# Altium PCB SVEC.pcbdoc (part 7 of 18)
Units mil, origin at the board's own origin, x right, y up, seen from the top; angles counter-clockwise.
Board outline 6349.25 x 9237.04 mil, 10 copper layers (Top Layer, L2 GND, L3, L4 PWR3.3, L5, L6, L7 GND, L8, L9 PWR, Bottom Layer), stack 58.268 mil thick; 906 components, 904 nets, 4753 pads, 3116 vias.
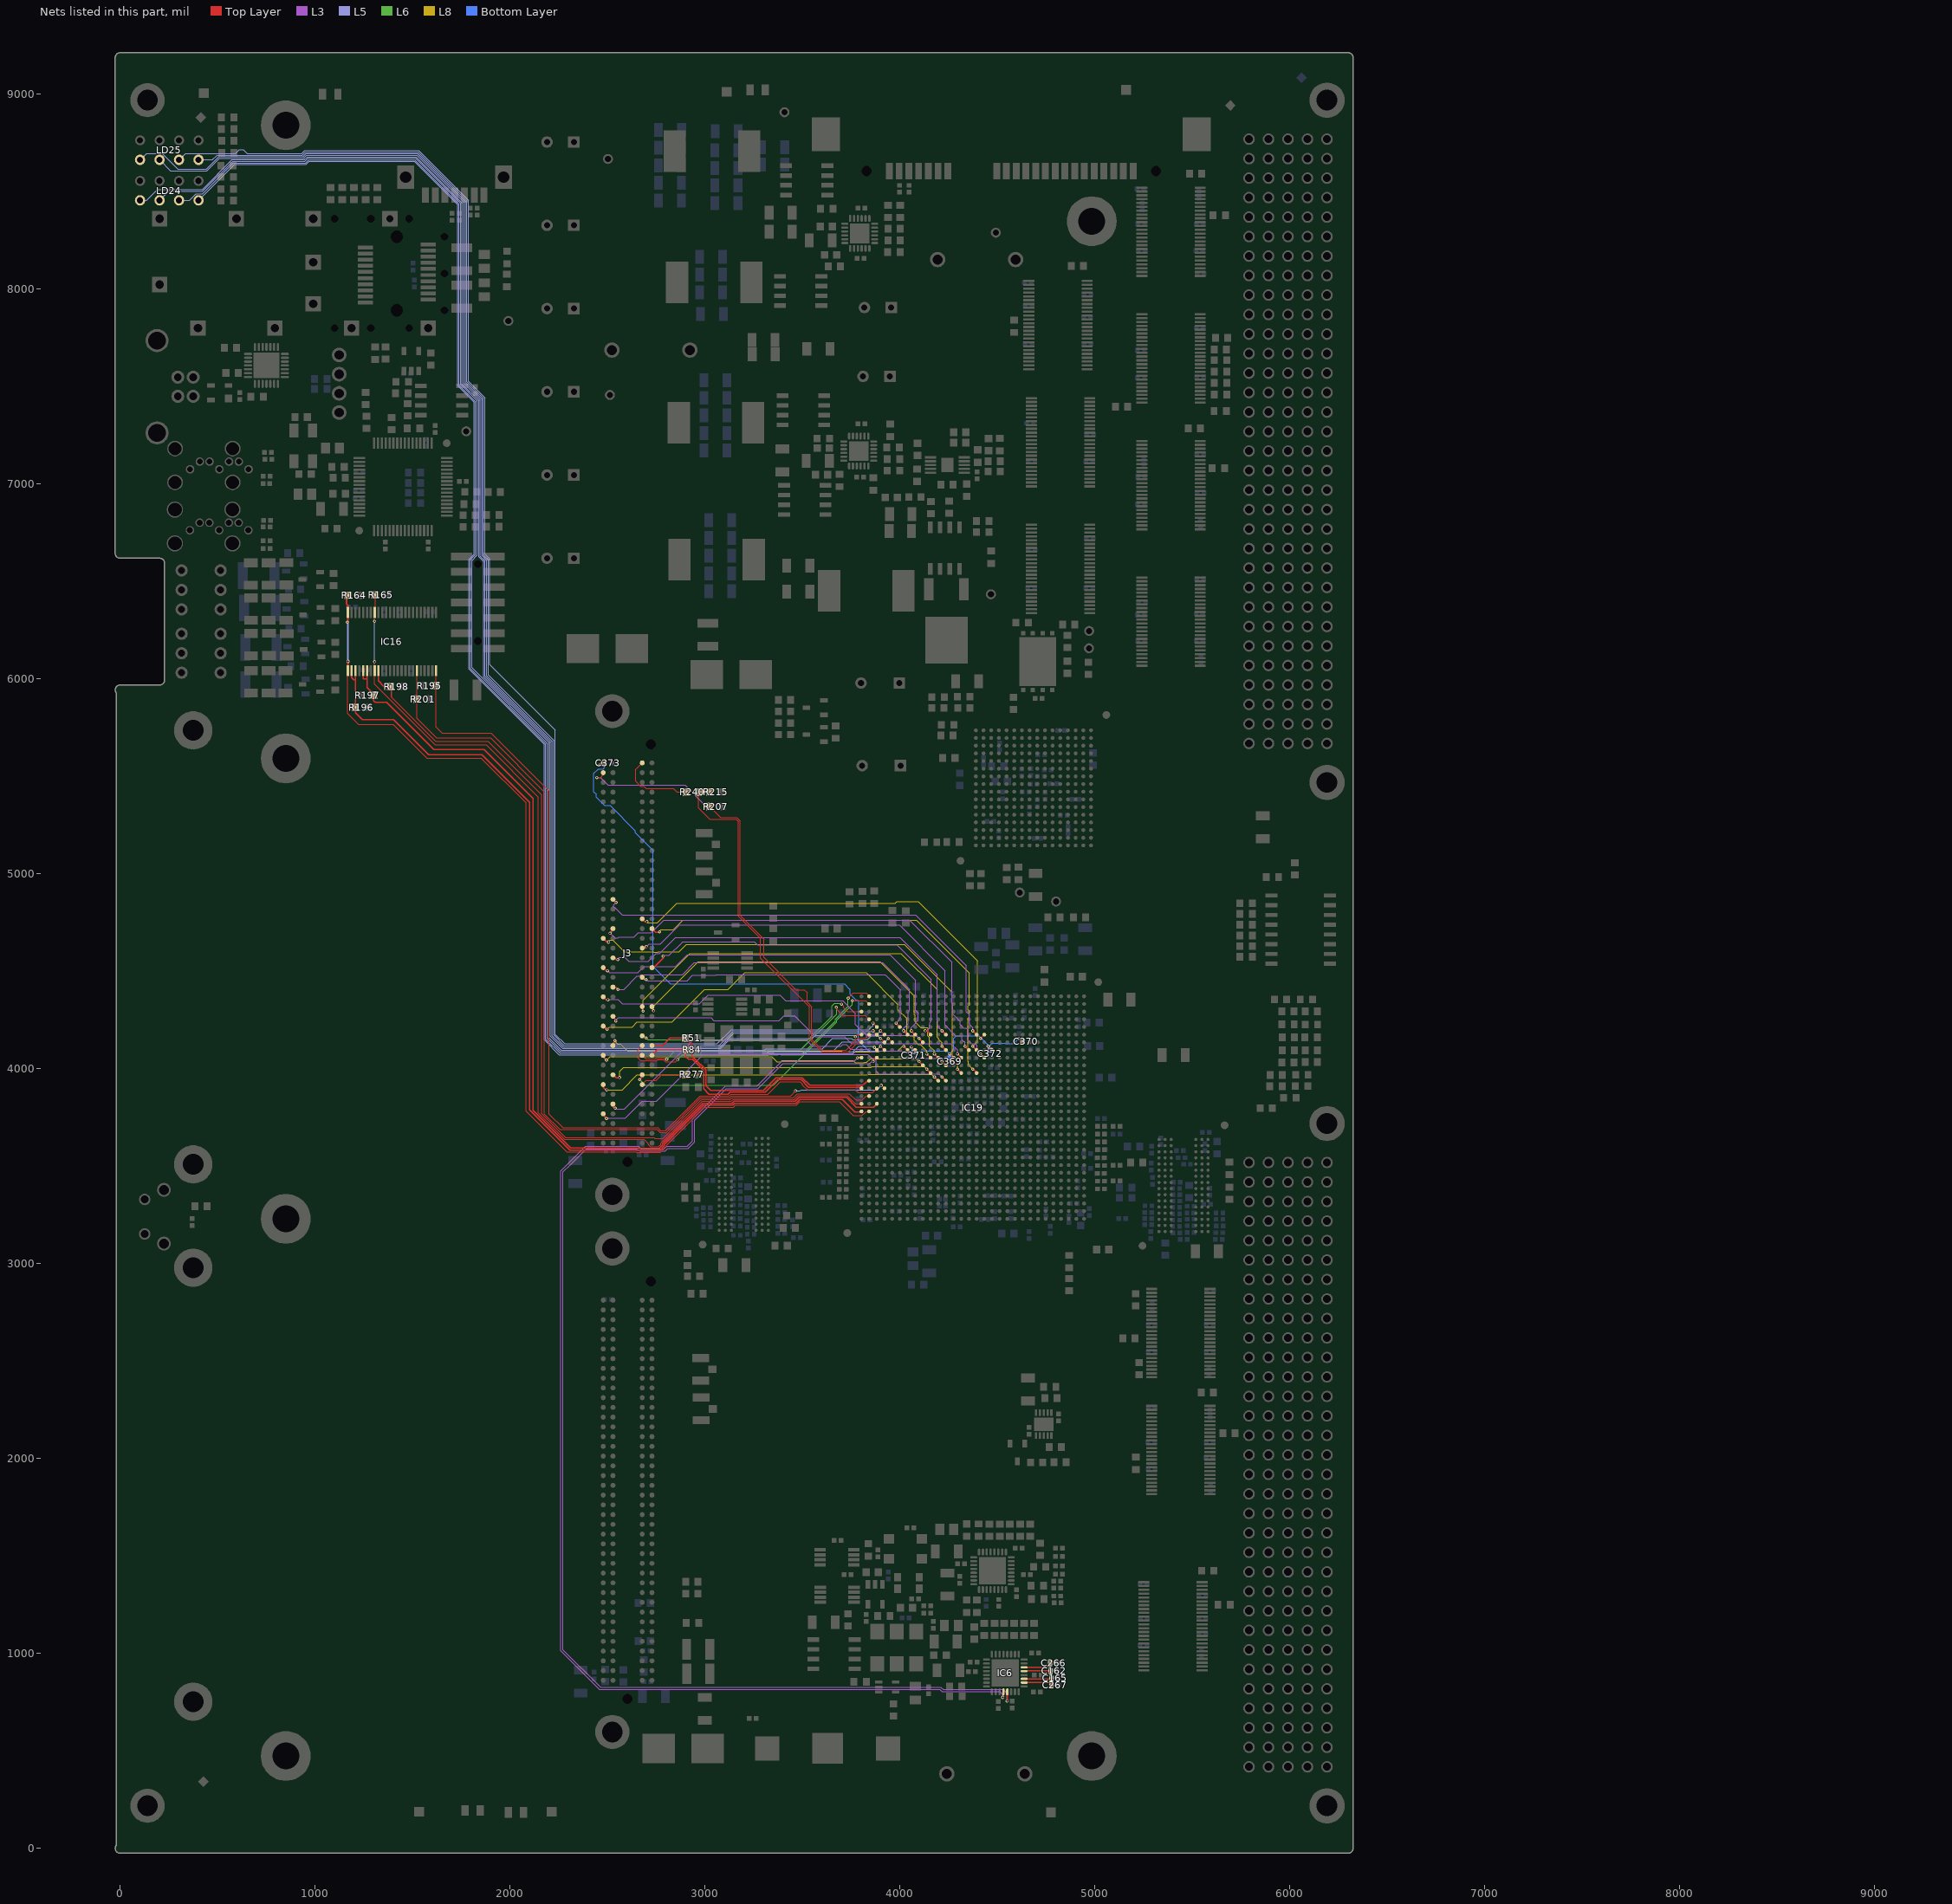
[diagram p15: the nets of this part, all layers, seen from the top]

## Via types
v1: diameter 15.75, hole 7.87, Top Layer to Bottom Layer, tented both sides, 2844 vias
v2: diameter 31.5, hole 15.75, Top Layer to Bottom Layer, tented both sides, 224 vias
v3: diameter 19.68, hole 7.87, Top Layer to Bottom Layer, tented both sides, 31 vias
v4: diameter 15.75, hole 7.87, Top Layer to Bottom Layer, 17 vias

## Nets (pads, with @x,y where several pads share a name; then routed paths per layer and width w, separated by ;. In a path a pad name is that pad's centre, name@x,y a point inside that pad or via, vN(x,y) a via of type N, cw(c..) or ccw(c..) an arc to the next point about the centre after c; other vN are vias at no path point) (continued)
FMC2_LA_P12: IC19.AE15 J3.g15 | length 2359.2
  Top Layer w6: J3.g15@2528.05,4868.51 v1(2544.05,4852.51) ; 4382.55,4191.51 4377.55,4191.51 4393.24,4175.82 IC19.AE15@4393.24,4174.52
  L3 w4: v1(2544.05,4852.51) 2532.19,4840.64 2532.19,4830.14 2536.69,4825.64 2537.69,4825.64 2575.69,4787.64 4080.55,4787.64 4340.69,4527.5 4340.69,4290.26 4354.56,4276.39 4354.56,4235.76 4357.68,4232.64 4357.68,4227 4373.55,4211.13 v1(4373.55,4194.21)
FMC2_LA_P13: IC19.AC15 J3.d17 | length 2376.6
  Top Layer w6: J3.d17@2678.05,4768.51 2694.05,4752.51 2701.68,4752.51 v1@2704.55,4755.38 ; v1@4376.55,4112.47 IC19.AC15@4393.24,4095.78
  L8 w4: v1(2701.69,4754.64) 2701.69,4752.64 2705.74,4748.59 2708.57,4748.59 2709.52,4747.64 2755.55,4747.64 2855.41,4847.51 3974.58,4847.51 3983.58,4856.51 4094.52,4856.51 4265.52,4685.51 4397.68,4553.35 4397.68,4139.59 v1(4373.55,4115.47)
FMC2_LA_P14: IC19.Y15 J3.c18 | length 2303.5
  Top Layer w6: J3.c18@2728.05,4718.51 2746.05,4700.51 v1@2763.55,4700.51 ; v1@4378.55,3995.51 4393.24,3980.82 IC19.Y15@4393.24,3977.67
  L8 w4: v1(2766.69,4701.64) 2766.69,4705.64 2773.69,4712.64 2837.69,4712.64 2886.69,4761.64 3248.69,4761.64 4083.69,4761.64 4354.56,4490.77 4354.56,4327.09 4349.68,4322.21 4349.68,4302.43 4354.56,4297.55 4354.56,4264.89 4349.68,4260.01 4349.68,4144.95 4349.68,4037.27 4351.56,4035.39 4351.56,4019.35 v1(4373.55,3997.36)
FMC2_LA_P15: IC19.Y17 J3.h19 | length 2378.3
  Top Layer w6: J3.h19@2478.05,4668.51 2496.92,4649.64 v1(2505.69,4649.64) ; v1(4294.81,3997.36) IC19.Y17@4314.5,3977.67
  L8 w4: v1(2505.69,4649.64) 2514.69,4658.64 2527.69,4658.64 2587.7,4598.63 2736.67,4598.63 2738.67,4596.63 2758.44,4596.63 2760.44,4598.63 2866.82,4598.63 2905.31,4637.12 4021.58,4637.12 4265.81,4392.88 4265.81,4335.75 4270,4331.56 4270,4039.09 4294.81,4014.28 v1(4294.81,3997.36)
FMC2_LA_P16: IC19.AB14 J3.g18 | length 2490.2
  Top Layer w6: v1(2512.69,4694.64) J3.g18@2528.05,4710.01 ; v1@4415.55,4075.51 4415.55,4073.47 IC19.AB14@4432.61,4056.41
  L3 w4: v1(2512.69,4694.64) 2537.56,4669.77 2553.26,4669.77 2559.14,4675.64 2635.45,4675.64 2657.83,4698.02 2724.21,4698.02 2788.83,4762.64 4049.55,4762.64 4265.81,4546.37 4265.81,4335.75 4270.69,4330.88 4270.69,4279.5 4308.56,4241.62 4308.56,4225.44 4324.36,4209.64 4338.69,4209.64 4338.69,4209.32 4348.06,4199.95 4348.06,4188.46 4347.69,4188.09 4347.69,4160.95 4348.06,4160.58 4348.06,4146.57 4364.99,4129.64 4383.55,4129.64 4394.69,4118.5 4394.69,4094.33 v1(4412.92,4076.1)
FMC2_LA_P17: IC19.AC16 J3.d20 | length 2173.3
  Top Layer w6: J3.d20@2678.05,4618.51 2691.55,4618.51 v1(2698.69,4625.64) ; v1(4334.18,4115.47) IC19.AC16@4353.87,4095.78
  L3 w4: v1(2698.69,4625.64) 2699.69,4625.64 2712.85,4638.81 2770.91,4638.81 2869.48,4737.38 3996.95,4737.38 4231.57,4502.76 4231.57,4223.69 4285.62,4169.64 4309.69,4169.64 4318.31,4161.02 4318.31,4148.26 4327.61,4138.96 4330.44,4138.96 4334.18,4135.22 v1(4334.18,4115.47)
FMC2_LA_P18: IC19.AE21 J3.c22 | length 1888.7
  Top Layer w6: J3.c22@2728.05,4518.51 2736.55,4518.51 2786.69,4568.64 v1@2786.69,4576.64 ; v1(4129.69,4194.64) 4136.9,4194.64 IC19.AE21@4157.02,4174.52
  L3 w4: v1@2786.69,4576.64 2791.56,4581.51 2816.42,4581.51 2881.62,4646.71 2884.55,4649.64 3253.83,4649.64 3268.83,4634.64 3984.56,4634.64 4161.21,4457.99 4161.21,4243.31 4153.21,4235.31 4153.21,4227 4151.21,4225 4151.21,4208.08 4137.33,4194.21 4136.9,4194.64 v1(4129.69,4194.64)
  other v1: 2785.69,4577.64
FMC2_LA_P19: IC19.AE23 J3.h22 | length 2014
  Top Layer w6: J3.h22@2478.05,4518.51 2494.05,4502.51 v1@2496.68,4502.51 ; v1@4054.55,4191.51 4058.59,4191.51 v1@4059.55,4191.51 ; v1@4062.55,4191.51 v1@4059.55,4191.51 ; IC19.AE23@4078.28,4174.52 4076.54,4174.52 v1@4059.55,4191.51
  L3 w4: v1(2500.69,4502.64) 2500.69,4500.64 2504.81,4496.51 2506.26,4496.51 2509.4,4493.38 2656.03,4493.38 2686.29,4523.64 2848.69,4523.64 2908.69,4583.64 3949.83,4583.64 4079.69,4453.78 4079.69,4298.64 4090.69,4287.64 4093.62,4284.71 4093.62,4249.81 4090.69,4246.88 4085.37,4241.57 4085.37,4237.91 4058.59,4211.13 v1(4058.59,4194.21)
FMC2_LA_P20: IC19.AE19 J3.g21 | length 2134.5
  Top Layer w6: J3.g21@2528.05,4568.51 2535.82,4568.51 2545.68,4558.65 v1@2550.68,4558.65 ; v1@4222.55,4194.51 4222.55,4187.73 IC19.AE19@4235.76,4174.52
  L3 w4: v1(2552.69,4559.64) 2551.62,4560.71 2550.76,4560.71 2561.05,4571 2588.19,4571 2608.55,4550.64 2709.07,4550.64 2750.07,4591.64 2767.69,4591.64 2848.69,4672.64 3999.2,4672.64 4190.69,4481.15 4190.69,4244.82 4192.69,4242.82 4192.69,4217.59 v1(4216.07,4194.21)
FMC2_LA_P21: IC19.AD22 J3.h25 | length 1810.9
  Top Layer w6: J3.h25@2478.05,4368.51 2494.05,4352.51 2500.68,4352.51 v1@2503.55,4355.38 ; v1@4097.55,4154.51 4116.91,4135.15 IC19.AD22@4117.65,4135.15
  L3 w4: v1(2501.69,4353.64) 2503.69,4355.64 2553.69,4355.64 2576.69,4332.64 2971.83,4332.64 3015.83,4376.64 3383.69,4376.64 3412.69,4347.64 3706.69,4347.64 3771.71,4282.62 3771.71,4226.69 3828.07,4170.33 4082.47,4170.33 v1(4097.96,4154.84)
FMC2_LA_P22: IC19.AE24 J3.g24 | length 1892.4
  Top Layer w6: J3.g24@2528.05,4418.51 2541.82,4418.51 v1(2553.69,4406.64) ; v1@4018.92,4194.51 v1(4019.22,4194.21) IC19.AE24@4038.91,4174.52
  L3 w4: v1(2553.69,4406.64) 2583.69,4406.64 2652.43,4475.38 2663.49,4475.38 2670.75,4482.64 2884.55,4482.64 2945.55,4543.64 3911.39,4543.64 4000.52,4454.51 4046.5,4408.53 4048.43,4406.6 4048.43,4299.79 4042.68,4294.04 4042.68,4230.63 4016.55,4204.51 v1@4016.55,4194.51
FMC2_LA_P23: IC19.AF25 J3.d23 | length 1593
  Top Layer w6: J3.d23@2678.05,4468.51 2690.92,4455.64 2699.69,4455.64 v1(2697.69,4457.64) ; v1@3978.81,4234.17 3978.81,4233.58 3978.81,4233.25 3979.17,4232.89 3998.17,4213.89 IC19.AF25@3999.54,4213.89
  L3 w4: v1(2697.69,4457.64) 2703.69,4451.64 2908.69,4451.64 2936.69,4479.64 3054.93,4479.64 3057.67,4482.38 3922.29,4482.38 3925.03,4479.64 3927.86,4479.64 4003.29,4404.21 4003.29,4362.64 4003.29,4257.01 v1(3979.85,4233.58)
FMC2_LA_P24: IC19.AB21 J3.h28 | length 2088.7
  Top Layer w6: v1@2496.05,4200.51 2495.8,4200.76 J3.h28@2478.05,4218.51 2481.82,4218.51 v1(2497.69,4202.64) ; v1@4137.56,4076.32 4157.02,4056.86 IC19.AB21@4157.02,4056.41
  L8 w4: v1(2497.69,4202.64) 2508.69,4213.64 2626.83,4213.64 2651.83,4238.64 2830.9,4238.64 2998.29,4406.04 3117.08,4406.04 3204.19,4493.14 3826.19,4493.14 3989.69,4329.64 3989.69,4302.5 4034.72,4257.47 4034.72,4223.69 4034.96,4223.45 4034.96,4204.33 4034.72,4204.1 4034.72,4184.19 4050.2,4168.71 4064.34,4168.71 4072.47,4160.58 4072.47,4145.72 4093.81,4124.38 4103.71,4124.38 4137.33,4090.76 v1(4137.33,4076.1)
FMC2_LA_P25: IC19.AB17 J3.g27 | length 1924.1
  Top Layer w6: J3.g27@2528.05,4268.51 2538.69,4257.87 v1@2538.69,4247.64 ; v1(4294.81,4076.1) IC19.AB17@4314.5,4056.41
  L3 w4: v1(2542.69,4244.64) 2542.69,4249.5 2554.83,4261.64 3030.69,4261.64 3045.69,4246.64 3380.83,4246.64 3405.74,4271.55 3459.6,4271.55 3566.51,4164.64 3715.69,4164.64 3750.99,4129.34 4261.19,4129.34 4294.81,4095.72 v1(4294.81,4076.1)
FMC2_LA_P26: IC19.AC19 J3.d26 | length 2091.5
  Top Layer w6: J3.d26@2678.05,4318.51 2676.69,4317.14 2676.69,4312.64 2681.69,4307.64 v1@2681.69,4297.64 ; v1(4216.07,4115.47) IC19.AC19@4235.76,4095.78
  L8 w4: v1@2681.69,4297.64 2681.69,4350.64 2922.69,4591.64 4005.65,4591.64 4191.81,4405.47 4191.81,4314.31 4192.2,4313.92 4192.2,4160.99 4194.2,4158.99 4198.62,4154.57 4198.62,4149.84 4216.07,4132.39 v1(4216.07,4115.47)
  other v1: 2682.69,4295.64
FMC2_LA_P27: IC19.AB20 J3.c26 | length 1939.7
  Top Layer w6: J3.c26@2728.05,4318.51 2731.69,4314.87 2731.69,4302.64 v1@2736.69,4297.64 ; v1(4176.7,4076.1) IC19.AB20@4196.39,4056.41
  L8 w4: v1@2736.69,4297.64 2736.69,4320.64 2964.69,4548.64 3898.69,4548.64 4073.69,4373.64 4073.69,4277.78 4078.3,4273.16 4078.3,4238.88 4107.48,4209.7 4140.48,4209.7 4143.56,4206.62 4143.56,4188.89 4142.69,4188.02 4142.69,4168.71 4143.08,4168.71 4151.21,4160.58 4151.21,4116.12 4175.16,4092.17 4175.16,4077.64 v1(4176.7,4076.1)
  other v1: 2736.69,4296.64
FMC2_LA_P28: IC19.AA22 J3.h31 | length 1698.1
  Top Layer w6: J3.h31@2478.05,4068.51 2478.05,4060.27 v1(2494.69,4043.64) ; 4104.55,4030.51 4117.65,4017.41 IC19.AA22@4117.65,4017.04
  L8 w4: v1(2494.69,4043.64) 2512.69,4061.64 2537.69,4061.64 2538.56,4062.51 3342.81,4062.51 3360.69,4044.64 3369.56,4035.77 3389.58,4035.77 3396.45,4042.64 3546.69,4042.64 ; 3547.7,4041.63 3546.69,4042.64 ; v1(4097.96,4036.73) 4083.12,4051.57 3848.76,4051.57 3829.82,4032.63 3819.69,4032.63 3818.69,4031.63 3771.67,4031.63 3760.66,4042.64 3546.69,4042.64 ; v1@4099.55,4035.51 v1@4099.55,4037.51
FMC2_LA_P29: IC19.AC24 J3.g30 | length 1576.7
  Top Layer w6: J3.g30@2528.05,4118.51 2528.05,4128.01 2541.69,4141.64 v1@2539.69,4143.64 ; v1(4019.22,4115.47) IC19.AC24@4038.91,4095.78
  L8 w4: v1@2541.69,4141.64 v1@2543.19,4140.14 ; v1@2543.69,4139.64 v1@2543.19,4140.14 ; v1(4019.22,4115.47) 4013.62,4115.47 3988.12,4089.97 3895.37,4089.97 3891.16,4085.77 3858.8,4085.77 3857.8,4086.77 3703.8,4086.77 3699.93,4090.64 2602.69,4090.64 2567.69,4125.64 2551.69,4125.64 2543.19,4134.14 v1@2543.19,4140.14
  other v1: 2537.69,4143.64
FMC2_LA_P30: IC19.W20 J3.h34 | length 1780.4
  Top Layer w6: J3.h34@2478.05,3918.51 2478.05,3904.01 v1@2491.55,3890.51 ; v1(4176.7,3957.99) IC19.W20@4196.39,3938.3
  L8 w4: v1(2496.69,3891.64) 2575.69,3891.64 2651.68,3967.63 3814.67,3967.63 3834.44,3967.63 3838.67,3971.86 4162.83,3971.86 v1(4176.7,3957.99)
FMC2_LA_P31: IC19.Y21 J3.g33 | length 1686.6
  Top Layer w6: J3.g33@2528.05,3968.51 2544.05,3952.51 2553.68,3952.51 v1@2556.55,3955.38 ; v1@4137.55,3996.51 4138.18,3996.51 IC19.Y21@4157.02,3977.67
  L8 w4: v1(2561.69,3954.64) 2561.69,3985.64 2581.69,4005.64 3850.41,4005.64 3856,4011.23 4123.46,4011.23 v1(4137.33,3997.36)
FMC2_LA_P32: IC19.W19 J3.h37 | length 2006.5
  Top Layer w6: J3.h37@2478.05,3768.51 2478.05,3762.01 2497.55,3742.51 2495.55,3742.51 2494.55,3743.51 v1@2494.55,3741.51 ; v1(4216.07,3957.99) IC19.W19@4235.76,3938.3
  L3 w4: v1(2494.69,3744.64) 2497.62,3741.71 2502.02,3746.11 2592.3,3746.11 2678.58,3832.39 2750.39,3832.39 2991.51,4073.51 3834.81,4073.51 3855.65,4052.68 3865.41,4052.68 3877.24,4040.85 3877.24,3987.47 3891.22,3973.48 4200.58,3973.48 v1(4216.07,3957.99)
FMC2_LA_P33: IC19.AA19 J3.g36 | length 1938.6
  Top Layer w6: J3.g36@2528.05,3818.51 2528.05,3806.01 v1@2540.55,3793.51 ; v1(4216.07,4036.73) IC19.AA19@4235.76,4017.04
  L3 w4: v1(2539.69,3797.64) 2543.82,3793.51 2586.55,3793.51 2937.68,4144.63 3521.7,4144.63 3551.69,4114.64 3698.07,4114.64 3707.94,4124.51 3723.81,4124.51 3747.69,4100.64 3838.81,4100.64 3853.81,4085.64 3853.93,4085.77 3878.58,4085.77 3883.45,4090.64 4028.55,4090.64 4066.96,4052.22 4200.58,4052.22 v1(4216.07,4036.73)
FMC2_PG_C2M: IC19.AD30 R215.1 R240.1 | length 1952.2
  Top Layer w5: R240.1@2967.05,5418.51 2967.05,5337.44 3025.61,5278.88 3159.51,5278.88 3170.69,5267.7 3170.69,4782.91 3285.55,4668.05 3285.55,4567.4 3536.55,4316.4 3536.55,4150.05 3599.33,4087.27 3736.31,4087.27 3784.2,4135.15 IC19.AD30@3802.69,4135.15
  Top Layer w8: R240.1@2967.05,5418.51 3023.06,5418.51 R215.1@3024.06,5419.51
FMC2_PGC2M: J3.d1 R240.2 | length 390.3
  Top Layer w5: J3.d1@2678.05,5568.51 2644.55,5535.01 2644.55,5475 2670.14,5449.41 2686.89,5449.41 2698.69,5437.6 2837.55,5437.6 2856.65,5418.51 R240.2@2904.06,5418.51
FMC2_PRSNTM2C_N: IC19.AE29 J3.h2 R207.1 | length 2526.1
  Top Layer w5: v1(2444.42,5493.42) 2464.11,5493.42 2478.05,5507.37 J3.h2@2478.05,5518.51 ; v1(2995.6,5355.62) 3015.29,5355.62 3024.06,5346.85 R207.1@3024.06,5344.51 3080.68,5287.88 3163.24,5287.88 3179.69,5271.43 3179.69,4786.64 3301.55,4664.77 3301.55,4570.77 3467.32,4405.01 3510.05,4405.01 3524.69,4390.37 3524.69,4341 3547.55,4318.13 3547.55,4151.77 3603.06,4096.27 3724.64,4096.27 3785.88,4157.51 3825.04,4157.51 IC19.AE29@3842.06,4174.52
  L3 w5: v1(2444.42,5493.42) 2464.11,5493.42 2503.48,5454.05 2897.18,5454.05 v1(2995.6,5355.62)
FMC2_SCL: IC19.W29 J3.c30 R51.2 | length 1374.1
  Top Layer w6: J3.c30@2728.05,4118.51 2782.55,4118.51 2820.55,4156.51 R51.2@2900.06,4156.51 2932.55,4124.01 2932.55,4064.51 2977.55,4019.51 2980.55,4019.51 3004.55,3995.51 3004.55,3912.51 3028.05,3889.01 3299.7,3889.01 3364.21,3953.51 3498.96,3953.51 3536.96,3915.51 3795.44,3915.51 3795.71,3915.77 3811.79,3915.77 ; 3812.48,3918.62 3815.59,3921.73 3817.75,3921.73 3834.32,3938.3 IC19.W29@3842.06,3938.3
FMC2_SDA: IC19.V30 J3.c31 R84.2 | length 1304.8
  Top Layer w6: J3.c31@2728.05,4068.51 2756.05,4096.51 R84.2@2901.06,4096.51 2901.06,4063 2916.55,4047.51 2935.35,4047.51 2992.55,3990.3 2992.55,3896.51 3020.55,3868.51 3118.68,3868.51 3129.18,3879.01 3309.05,3879.01 3373.56,3943.51 3492.81,3943.51 3532.19,3904.14 3797.48,3904.14 IC19.V30@3802.69,3898.93
FMC2_TCK: IC19.AH30 J3.d29 | length 1264.1
  Top Layer w5: J3.d29@2678.05,4168.51 2686.82,4168.51 v1(2697.69,4157.64) ; v1(3700.55,4331.51) 3711.05,4321.01 3711.05,4312.01 3730.43,4292.63 IC19.AH30@3802.69,4292.63
  L6 w5: v1(2697.69,4157.64) 2707.45,4147.88 3529.93,4147.88 3651.55,4269.51 3651.55,4322.51 3663.55,4334.51 3697.55,4334.51 v1(3700.55,4331.51)
FMC2_TDI: IC19.AK29 J3.d30 | length 1455.9
  Top Layer w4: J3.d30@2678.05,4118.51 2655.69,4096.14 2655.69,4054.64 2668.42,4041.91 2754.33,4041.91 2757.81,4045.38 2787.33,4045.38 2797.94,4034.77 2848.81,4034.77 v1(2859.69,4045.64)
  Top Layer w5: v1(3734.55,4361.51) 3760.76,4387.71 3825.72,4387.71 IC19.AK29@3842.06,4371.37
  L6 w4: v1(2859.69,4045.64) 2885.55,4071.51 3370.93,4071.51 3373.94,4074.51 3385.43,4074.51 3388.44,4071.51 3495.55,4071.51 3668.05,4244.01 3668.05,4254.01 3733.55,4319.51 3733.55,4360.51 v1(3734.55,4361.51)
FMC2_TDO: IC19.AG29 J3.d31 | length 1341.8
  Top Layer w4: J3.d31@2678.05,4068.51 2696.65,4049.91 2751.02,4049.91 2754.49,4053.38 2798.95,4053.38 v1(2803.69,4048.64)
  Top Layer w5: v1@3680.55,4314.51 3674.69,4308.64 3674.69,4303.37 3704.55,4273.51 3821.81,4273.51 IC19.AG29@3842.06,4253.26
  L6 w4: v1(2803.69,4048.64) 2847.55,4092.51 3486.57,4092.51 3674.69,4280.62 3674.69,4308.64 v1@3680.55,4314.51
  other v1: 3673.69,4314.64
FMC2_TMS: IC19.AJ29 J3.d33 | length 1421.8
  Top Layer w5: v1(3755.55,4348.51) 3825.55,4348.51 IC19.AJ29@3842.06,4332
  Top Layer w6: v1(2664.55,3944.51) 2678.05,3958.01 J3.d33@2678.05,3968.51
  L6 w4: v1(2664.55,3944.51) 2693.43,3915.63 3350.99,3915.63 3676.05,4240.69 3676.05,4249.63 3755.55,4329.13 v1(3755.55,4348.51)
FMC2_TRST_L: J3.d34 R277.1 | length 247.4
  Top Layer w5: J3.d34@2678.05,3918.51 2699.05,3939.51 2701.23,3939.51 2701.6,3939.13 2749.18,3939.13 2780.55,3970.51 R277.1@2902.06,3970.51
  Top Layer w8: J3.d34@2676.55,3918.51 J3.d34@2678.05,3918.51
FMC2_VREFAM2C: C369.2 C370.2 C371.2 C372.2 C373.2 IC19.AB18 IC19.AC13 IC19.AC23 IC19.AD9 IC19.AE14 J3.h1 | length 3840.6
  Top Layer w5: v1@4060.55,4111.51 4076.28,4095.78 IC19.AC23@4078.28,4095.78 ; v1@4254.55,4076.51 4255.03,4076.51 IC19.AB18@4275.13,4056.41 ; v1@4415.55,4157.51 IC19.AE14@4432.57,4174.52 ; v1@4457.55,4114.51 4471.98,4100.08 IC19.AC13@4471.98,4095.78 ; v1(4609.77,4154.84) IC19.AD9@4629.46,4135.15
  Top Layer w10: v1(2458.55,5556.51) 2466.05,5556.51 J3.h1@2478.05,5568.51
  Bottom Layer w5: C373.2@2484.84,5567.51 2487.55,5564.79 2487.55,5547.51 2477.55,5537.51 2453.2,5537.51 2430.05,5514.35 2430.05,5420.01 2442.55,5407.51 2442.55,5392.18 2484.72,5350.01 2513.05,5350.01 2643.18,5219.88 2643.18,5210.88 2734.18,5119.88 2734.18,4523.68 2823.35,4434.51 3715.88,4434.51 3740.88,4409.51 3744.55,4409.51 3744.55,4381.77 3775.82,4350.51 3785.55,4350.51 3788.93,4347.13 3788.93,4222.88 3786.55,4220.51 3786.55,4144.51 3840.55,4090.51 4067.27,4090.51 C371.2@4070.55,4087.22 ; v1@4060.55,4111.51 4070.55,4101.51 C371.2@4070.55,4087.22 ; C372.2@4463.55,4088.22 4457.55,4094.22 v1@4457.55,4114.51 ; C370.2@4635.84,4138.51 4626.11,4138.51 v1(4609.77,4154.84) 4582.44,4127.51 4539.32,4127.51 4536.99,4129.84 4525.08,4129.84 4522.75,4127.51 4504.88,4127.51 4502.55,4129.84 4472.89,4129.84 v1@4457.55,4114.51 ; C371.2@4070.55,4087.22 4074.21,4090.88 4240.18,4090.88 4254.55,4076.51 4274.55,4096.51 4274.55,4154.91 4288.86,4169.21 4403.85,4169.21 4457.55,4115.51 v1@4457.55,4114.51
  Bottom Layer w10: v1(2458.55,5556.51) 2468.55,5556.51 2479.55,5567.51 C373.2@2484.84,5567.51
  Bottom Layer w15: C369.2@4254.55,4055.22 v1@4254.55,4076.51
  other v1: 4255.44,4076.1 4058.59,4111.51 4452.29,4115.47 4412.92,4154.84
FP_GPIO1: IC16.2 IC16.3 IC19.R30 R196.2 | length 4866
  Top Layer w6: IC16.2@1187.86,6041.9 1187.86,6005.2 1198.42,5994.64 1207.55,5994.64 ; IC16.3@1207.55,6041.9 1207.55,5994.64 ; IC19.R30@3802.69,3780.82 3800.37,3778.51 3768.55,3778.51 3704.55,3842.51 3485.75,3842.51 3466.25,3823.01 3152.38,3823.01 3141.88,3812.51 2994.12,3812.51 2792.13,3610.52 2792.13,3603.48 2768.56,3579.91 2652.48,3579.91 2650.05,3582.34 2307.69,3582.34 2100.55,3789.47 2100.55,5365.51 1856.55,5609.51 1583.55,5609.51 1402.05,5791.01 1242.05,5791.01 1207.55,5825.51 1207.55,5994.64
FP_GPIO2: IC16.5 IC16.6 IC19.T28 R197.2 | length 4840.8
  Top Layer w6: IC16.5@1246.92,6041.9 1246.92,6000.14 1266.1,6000.14 1266.6,5999.64 ; IC16.6@1266.6,6041.9 1266.6,5999.64 ; IC19.T28@3881.43,3820.19 3863.74,3802.51 3776.12,3802.51 3726.12,3852.51 3481.61,3852.51 3462.11,3833.01 3148.24,3833.01 3137.74,3822.51 2989.98,3822.51 2782.13,3614.66 2782.13,3607.62 2764.42,3589.91 2656.62,3589.91 2654.19,3592.34 2311.83,3592.34 2118.55,3785.62 2118.55,5385.51 1866.55,5637.51 1609.55,5637.51 1367.55,5879.51 1308.55,5879.51 1301.05,5887.01 R197.2@1301.05,5915.51 1301.05,5921.01 1266.6,5955.46 1266.6,5999.64
FP_GPIO3: IC16.9 IC19.U29 R198.2 | length 4644
  Top Layer w5: 1392.55,5905.51 1618.55,5679.51 1886.55,5679.51 2161.55,5404.51 2161.55,3768.78 2283.73,3646.6 2738.36,3646.6 2742.46,3642.5 2783.81,3642.5 2982.31,3841.01 3130.07,3841.01 3140.57,3851.51 3454.44,3851.51 3473.94,3871.01 3741.05,3871.01 3772.55,3839.51 3805.74,3839.51 3825.8,3859.56 IC19.U29@3842.06,3859.56
  Top Layer w6: IC16.9@1325.66,6041.9 1325.66,5989.67 1354.82,5960.51 R198.2@1387.06,5960.51 1392.55,5955.01 1392.55,5905.51
FP_GPIO4: IC16.19 IC19.V27 R201.2 | length 4601.6
  Top Layer w5: IC16.19@1522.51,6041.9 1522.51,5796.55 1621.55,5697.51 1899.55,5697.51 2176.55,5420.51 2176.55,3766.51 2255.46,3687.6 2753.53,3687.6 2768.26,3672.87 2801.45,3672.87 2978.59,3850.01 3126.35,3850.01 3136.85,3860.51 3439.45,3860.51 3464.58,3885.64 v1(3463.69,3885.64) ; v1(3903.69,3914.64) 3919.4,3898.93 IC19.V27@3920.8,3898.93
  L5 w5: v1(3463.69,3885.64) 3487.69,3885.64 3493.69,3891.64 3881.69,3891.64 3894.72,3904.68 3894.22,3905.18 v1(3903.69,3914.64)
FP_LEDN0: IC19.AD27 LD24.1 | length 8110
  Top Layer w5: v1@3901.55,4152.51 v1@3901.55,4154.4 ; IC19.AD27@3920.8,4135.15 v1@3901.55,4154.4 ; v1@3901.55,4154.4 3901.55,4155.28 v1(3901.11,4154.84) v1@3901.55,4154.4
  L5 w4: LD24.1@102.55,8454.51 136.55,8454.51 192.55,8510.51 422.55,8510.51 574.68,8662.63 633.24,8662.63 633.31,8662.7 944.75,8662.7 959.69,8677.64 1519.17,8677.64 1754.43,8442.38 1754.43,7513.65 1839.55,7428.52 1839.55,6625.34 1864.24,6600.65 1864.24,6008.09 2199.69,5672.64 2199.69,4157.64 2261.69,4095.64 3305.69,4095.64 3312.69,4102.64 3601.69,4102.64 3654.43,4155.38 3751.95,4155.38 3757.7,4149.63 3833.68,4149.63 3852.76,4168.71 3887.24,4168.71 v1(3901.11,4154.84)
FP_LEDN1: IC19.AD26 LD24.3 | length 8051.9
  Top Layer w5: v1(3940.48,4154.84) IC19.AD26@3960.17,4135.15
  L5 w4: LD24.3@202.55,8454.51 248.55,8500.51 423.87,8500.51 577.99,8654.63 636.56,8654.63 636.62,8654.7 948.06,8654.7 963,8669.64 1515.85,8669.64 1746.43,8439.06 1746.43,7510.33 1831.55,7425.21 1831.55,6633.82 1804.87,6607.13 1804.87,6056.15 2191.55,5669.46 2191.55,4154.46 2258.37,4087.64 3316.95,4087.64 3322.69,4093.38 3661.05,4093.38 3705.51,4137.84 3923.49,4137.84 v1(3940.48,4154.84)
FP_LEDN2: IC19.AC28 LD24.5 | length 7856.5
  Top Layer w5: v1@3868.55,4108.51 3868.7,4108.51 IC19.AC28@3881.43,4095.78
  L5 w4: LD24.5@302.55,8454.51 356.49,8454.51 389.06,8487.08 421.76,8487.08 581.31,8646.63 639.87,8646.63 639.94,8646.7 951.37,8646.7 966.31,8661.64 1512.54,8661.64 1738.43,8435.75 1738.43,7507.02 1823.55,7421.89 1823.55,6637.13 1796.87,6610.45 1796.87,6052.83 2183.55,5666.15 2183.55,4151.15 2255.06,4079.64 3320.26,4079.64 3326,4085.38 3757.87,4085.38 3787.95,4115.47 3862.86,4115.47 v1(3868.69,4109.64)
FP_LEDN3: IC19.AC27 LD24.7 | length 7797.4
  Top Layer w5: v1@3901.55,4116.51 3901.55,4115.91 v1(3901.11,4115.47) IC19.AC27@3920.8,4095.78
  L5 w4: LD24.7@402.55,8454.51 586.68,8638.63 707.62,8638.63 707.69,8638.7 954.69,8638.7 969.63,8653.64 1509.22,8653.64 1730.43,8432.44 1730.43,7503.7 1815.55,7418.58 1815.55,6640.45 1788.87,6613.76 1788.87,6049.52 2175.55,5662.83 2175.55,4147.83 2251.75,4071.64 3323.58,4071.64 3329.32,4077.38 3761.18,4077.38 3773.5,4089.7 3875.34,4089.7 v1(3901.11,4115.47)
FP_LEDN4: IC19.AE27 LD25.1 | length 8090.4
  Top Layer w5: v1@3899.55,4192.51 3917.54,4174.52 IC19.AE27@3920.8,4174.52
  L6 w4: LD25.1@102.55,8662.51 LD25.1@105.55,8662.51
  L5 w4: LD25.1@102.55,8662.51 135.13,8695.08 216.05,8695.08 297.2,8613.93 441.76,8613.93 506.46,8678.63 626.61,8678.63 626.68,8678.7 938.12,8678.7 953.06,8693.64 1525.79,8693.64 1770.43,8449 1770.43,7520.27 1855.55,7435.15 1855.55,6631.96 1880.24,6607.28 1880.24,6015.7 2215.69,5680.25 2215.69,4168.94 2272.86,4111.77 3077.26,4111.77 3147.88,4182.38 3824.69,4182.38 3829.44,4177.63 3884.68,4177.63 v1@3899.55,4192.51
  other v1: 3901.11,4194.21
FP_LEDN5: IC19.AE30 LD25.3 | length 7836.7
  Top Layer w5: v1(3771.55,4163.51) 3782.57,4174.52 IC19.AE30@3802.69,4174.52
  L5 w4: LD25.3@202.55,8662.51 259.13,8605.93 445.07,8605.93 509.77,8670.63 629.93,8670.63 630,8670.7 941.43,8670.7 956.37,8685.64 1522.48,8685.64 1762.43,8445.69 1762.43,7516.96 1847.55,7431.83 1847.55,6628.65 1872.24,6603.97 1872.24,6012.39 2207.69,5676.94 2207.69,4165.63 2269.55,4103.77 3080.58,4103.77 3131.44,4154.63 3548.31,4154.63 3565.06,4171.38 3763.68,4171.38 v1(3771.55,4163.51)
FP_LEDN6: IC19.AF28 LD25.5 | length 7820.4
  Top Layer w5: v1@3862.55,4234.51 3862.55,4234.39 v1(3861.74,4233.58) IC19.AF28@3881.43,4213.89
  L5 w4: LD25.5@302.55,8662.51 335.13,8695.08 591.39,8695.08 610.69,8714.38 631.95,8714.38 651.63,8694.7 931.49,8694.7 946.43,8709.64 1532.42,8709.64 1786.43,8455.63 1786.43,7526.9 1871.55,7441.77 1871.55,6638.59 1896.24,6613.91 1896.24,6071.7 2231.69,5736.25 2231.69,4175.57 2279.49,4127.77 3061.82,4127.77 3134.69,4200.63 3840.68,4200.63 3861.74,4221.69 3861.74,4233.69 v1@3862.55,4234.51
FP_LEDN7: IC19.AE28 LD25.7 | length 7676.7
  Top Layer w5: v1@3865.55,4191.51 3881.43,4175.63 IC19.AE28@3881.43,4174.52
  L5 w4: LD25.7@402.55,8662.51 474.33,8662.51 498.46,8686.63 623.3,8686.63 623.37,8686.7 934.81,8686.7 949.75,8701.64 1529.11,8701.64 1778.43,8452.32 1778.43,7523.59 1863.55,7438.46 1863.55,6635.28 1888.24,6610.59 1888.24,6019.02 2223.69,5683.57 2223.69,4172.25 2276.18,4119.77 3073.95,4119.77 3144.69,4190.51 3864.55,4190.51 v1@3865.55,4191.51
  other v1: 3861.74,4194.21
FPGA_CLK_N: IC6.28 IC19.AB30 | length 6725.8
  Top Layer w6: v1(3781.55,4055.51) 3782.46,4056.41 IC19.AB30@3802.69,4056.41 ; v1@4530.71,773.66 IC6.28@4530.71,803.05
  L3 w4: v1(3781.55,4055.51) 3764.55,4038.51 3394.55,4038.51 3266.55,3910.51 3104.27,3910.51 2936.55,3742.79 2936.55,3629.18 2909.54,3602.17 2803.28,3602.17 2790.12,3589.01 2670.25,3589.01 2657.92,3601.34 2385.96,3601.34 2260.55,3475.94 2260.55,1013.82 2458.87,815.51 4204.96,815.51 4216.34,804.13 4512.93,804.13 4527.55,789.51 v1(4527.55,774.51)
FPGA_CLK_P: IC6.29 IC19.AB28 | length 6842.2
  Top Layer w6: v1@3863.55,4040.51 3861.55,4042.51 3875.46,4056.41 IC19.AB28@3881.43,4056.41 ; v1(4549.48,756.19) 4550.4,757.11 IC6.29@4550.4,803.05
  L3 w4: v1@3863.55,4040.51 3861.55,4042.51 3845.55,4026.51 3399.52,4026.51 3271.52,3898.51 3109.24,3898.51 3050.55,3839.82 2948.55,3737.82 2947.68,3736.95 2947.68,3731.97 2947.68,3725.99 2947.68,3675.61 2947.68,3652.15 2947.68,3623.34 2916.35,3592.01 2914.51,3590.17 2848.88,3590.17 2826.37,3590.17 2808.25,3590.17 2795.44,3577.36 2795.44,3577.01 2709.39,3577.01 2695.72,3577.01 2665.28,3577.01 2652.95,3589.34 2627.37,3589.34 2390.93,3589.34 2385.21,3583.62 2377.21,3575.62 2310.65,3509.06 2304.66,3503.07 2276.16,3474.57 2272.55,3470.97 2272.55,3414.22 2272.55,1018.79 2463.84,827.51 4209.93,827.51 4221.31,816.13 4528.9,816.13 4549.48,795.56 v1(4549.48,756.19)
  other v1: 3861.74,4036.73
FPGA_PLL_REF_CLK0_N: C162.1 IC6.5 | length 137.7
  Top Layer w6: IC6.5@4637.01,909.35 4639.17,911.51 C162.1@4773.84,911.51
FPGA_PLL_REF_CLK0_P: C266.1 IC6.6 | length 143.7
  Top Layer w6: IC6.6@4637.01,929.03 4750.37,929.03 C266.1@4771.84,950.51
FPGA_PLL_REF_CLK1_N: C267.1 IC6.2 | length 145.7
  Top Layer w6: IC6.2@4637.01,850.29 4766.05,850.29 C267.1@4777.84,838.51
FPGA_PLL_REF_CLK1_P: C165.1 IC6.3 | length 141.7
  Top Layer w6: IC6.3@4637.01,869.98 4772.31,869.98 C165.1@4776.84,874.51
FPGPIO1_A2B: IC16.1 IC16.48 IC19.R29 R164.2 | length 5299.1
  Top Layer w5: IC16.1@1168.18,6041.9 1168.18,5820.88 1222.55,5766.51 1401.55,5766.51 1574.55,5593.51 1852.55,5593.51 2081.55,5364.51 2081.55,3782.51 2291.22,3572.84 2646.11,3572.84 2648.55,3570.41 2772.5,3570.41 2801.63,3599.54 2801.63,3606.58 2998.05,3803.01 3145.81,3803.01 3156.31,3813.51 3470.18,3813.51 3487.18,3830.5 3688.56,3830.5 3759.55,3759.51 3804.48,3759.51 3825.8,3780.82 IC19.R29@3842.06,3780.82
  Top Layer w8: v1(1164.55,6290.51) 1168.18,6294.13 IC16.48@1168.18,6341.11 1168.18,6378.43 1161.68,6384.93 1161.68,6422.13 R164.2@1168.06,6428.51 ; IC16.1@1168.18,6041.9 1168.18,6089.13 v1(1168.55,6089.51)
  L5 w8: v1(1164.55,6290.51) 1168.55,6286.51 v1(1168.55,6089.51)
FPGPIO2_A2B: IC16.8 IC16.41 IC19.T30 R165.2 | length 5022.7
  Top Layer w5: v1(1305.55,6087.51) 1305.55,6042.32 IC16.8@1305.97,6041.9 1305.97,5972.09 1616.55,5661.51 1877.55,5661.51 2145.55,5393.51 2145.55,3772.05 2280,3637.6 2685.96,3637.6 2708.96,3614.61 2708.96,3610.6 2720.14,3599.41 2760.49,3599.41 2772.63,3611.55 2772.63,3618.6 2986.04,3832.01 3133.8,3832.01 3144.3,3842.51 3458.17,3842.51 3477.67,3862.01 3730.05,3862.01 3771.55,3820.51 3802.37,3820.51 IC19.T30@3802.69,3820.19 ; v1(1305.55,6294.51) 1305.97,6294.92 IC16.41@1305.97,6341.11 1308.93,6344.07 1308.93,6428.64 R165.2@1307.06,6430.51
  L5 w4: v1(1305.55,6087.51) v1(1305.55,6294.51)
FPGPIO34_A2B: IC16.24 IC19.V28 R195.2 | length 4516.5
  Top Layer w5: IC16.24@1620.93,6041.9 1620.93,5753.13 1651.55,5722.51 1901.55,5722.51 2199.55,5424.51 2199.55,3767.51 2270.46,3696.6 2757.26,3696.6 2771.99,3681.87 2797.73,3681.87 2974.86,3859.01 3122.62,3859.01 3133.12,3869.51 3322.55,3869.51 3387.06,3934.01 3486.64,3934.01 3501.06,3919.59 3501.06,3916.27 3524.19,3893.14 3768.92,3893.14 3784.55,3877.51 3860,3877.51 IC19.V28@3881.43,3898.93